# Altium PCB PCB1.PcbDoc (continued)
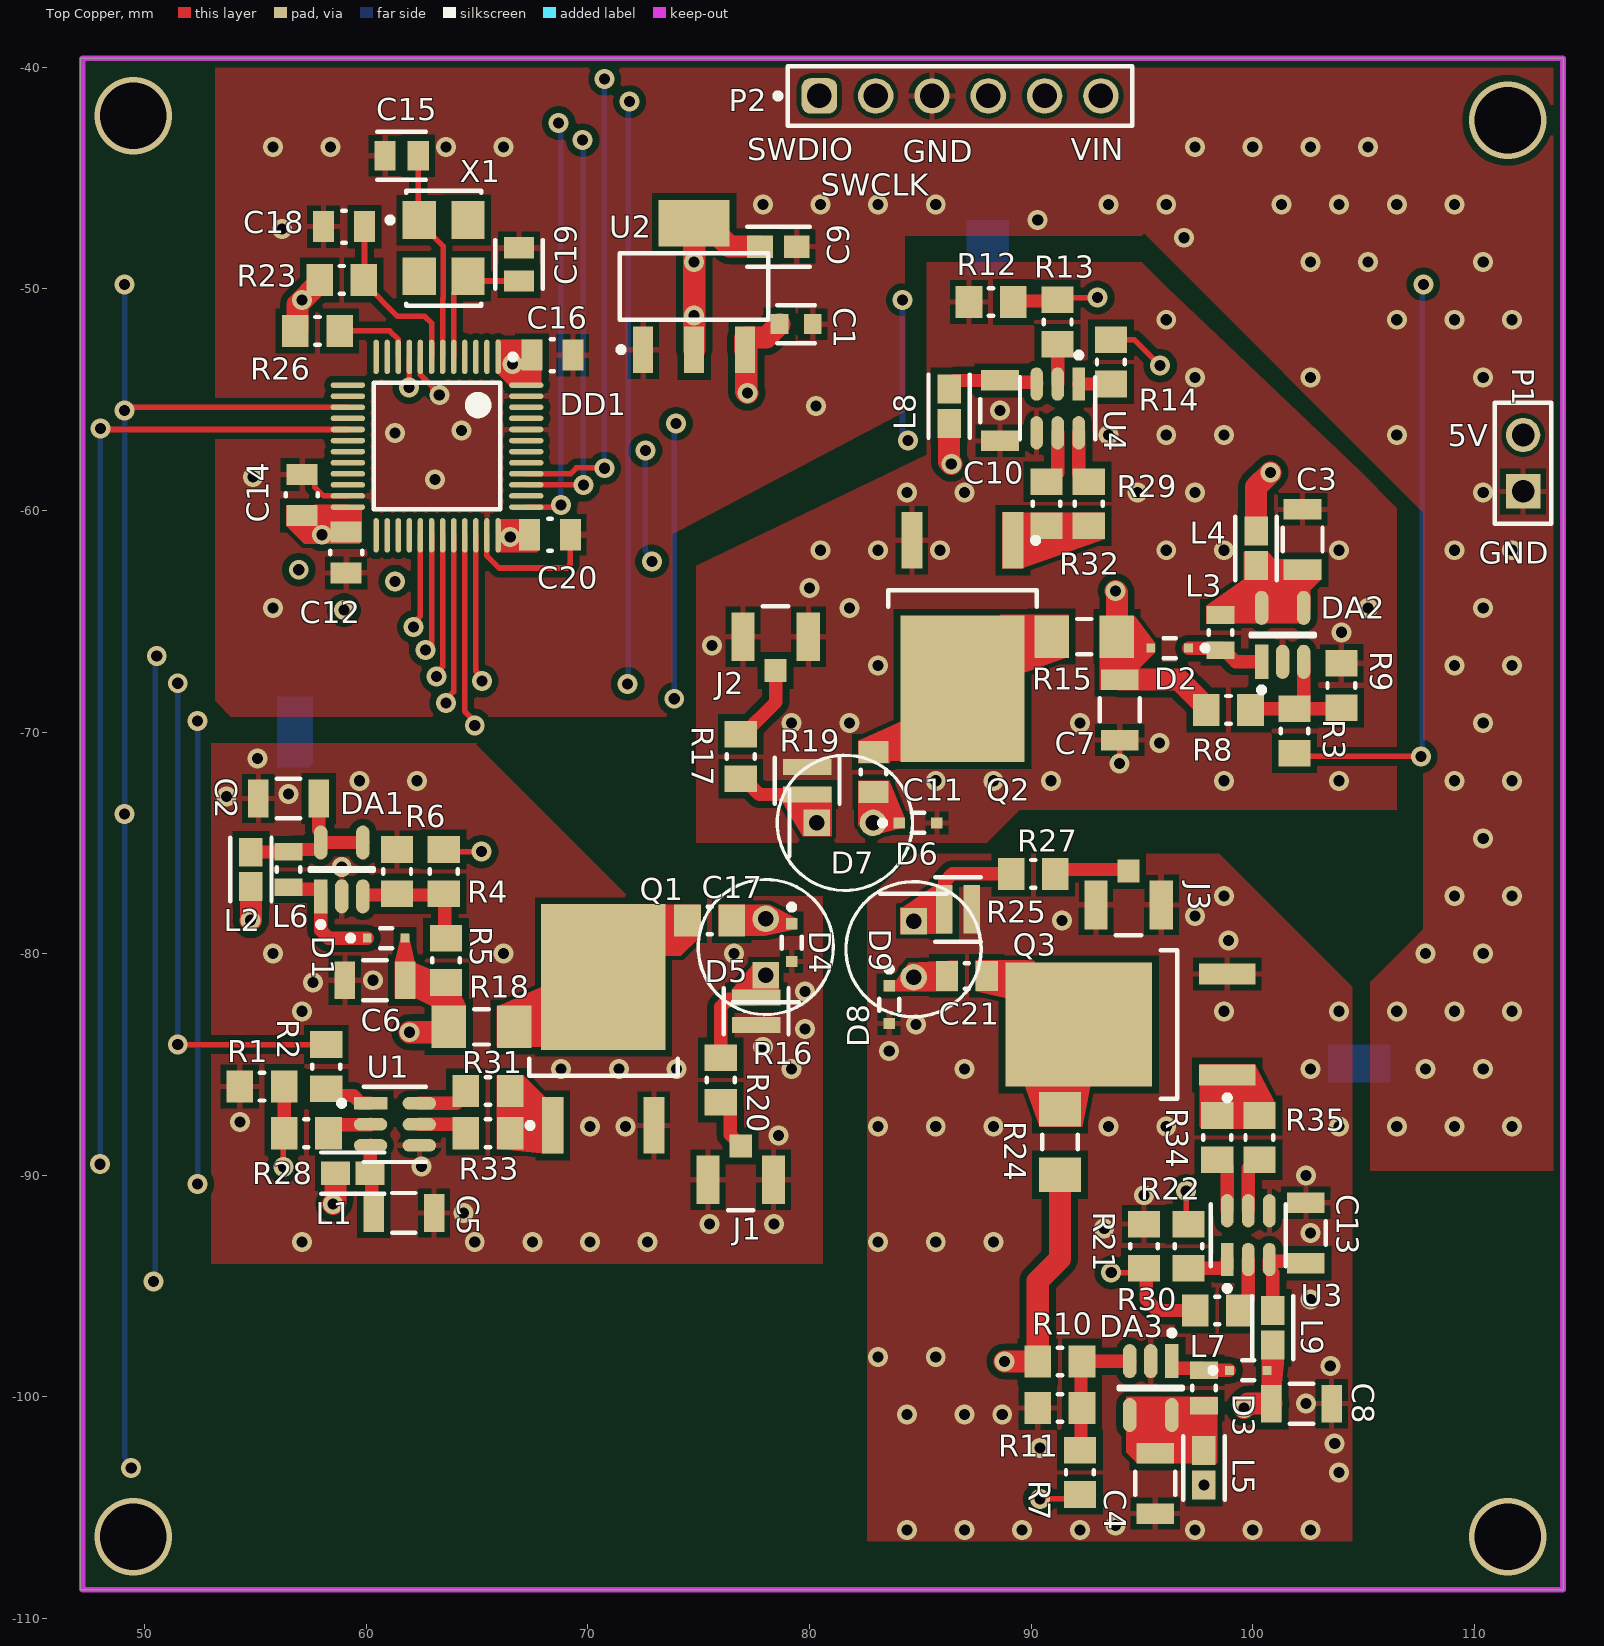
[diagram p0: Top Copper view]
## Components (designator, comment, footprint, x,y, rotation, side; value= is the part's Value field where it differs from the comment)
C1 "" FP-CC0603-DA-MFG 79.4,-51.6 r0 top value="100 nF"
C2 "10uF" FP-CL31B106KBHNNNE-MFG 56.5,-73 r0 top
C3 "10uF" FP-CL31B106KBHNNNE-MFG 102.25,-61.315 r270 top
C4 "10uF" FP-CL31B106KBHNNNE-MFG 95.6,-103.9 r90 top
C5 "10uF" FP-CL31B106KBHNNNE-MFG 61.7,-91.7 r180 top
C6 "10uF" FP-CL31B106KBHNNNE-MFG 60.4,-81.2 r0 top
C7 "10uF" FP-CL31B106KBHNNNE-MFG 94,-69 r90 top
C8 "10uF" FP-CL31B106KBHNNNE-MFG 102.2,-100.3 r180 top
C9 "" FP-CL10-IPC_A 78.6,-48.1 r0 top
C10 "10uF" FP-CL31B106KBHNNNE-MFG 88.6,-55.5 r90 top
C11 "20nF" RESC2013X60X35NL10T20 82.9,-71.8 r90 top
C12 "CC0805KRX7R9BB104" FP-CC0805-0_85-MFG 59.1,-61.9 r270 top value="100 nF"
C13 "10uF" FP-CL31B106KBHNNNE-MFG 102.4,-92.6 r270 top
C14 "CC0805KRX7R9BB104" FP-CC0805-0_85-MFG 57.1,-59.3 r90 top value="100 nF"
C15 "C0805C100J5RACTU" FP-C0805C-DN-MFG 61.6,-44 r0 top value="10 pF"
C16 "CC0805KRX7R9BB104" FP-CC0805-0_85-MFG 68.4,-53 r0 top value="100 nF"
C17 "20nF" RESC2013X60X35ML10T20 75.5,-78.5 r180 top
C18 "100nF" FP-CC0805-0_85-MFG 59,-47.2 r180 top value="100 nF"
C19 "" FP-C0805C-DN-MFG 66.9,-48.9 r270 top value="10 pF"
C20 "CC0805KRX7R9BB104" FP-CC0805-0_85-MFG 68.3,-61.1 r0 top value="100 nF"
C21 "20nF" RESC2013X60X35NL10T20 87.1,-81 r0 top
D1 "Schottky Diode" FP-PG-SC79-2-MFG#1 60.9,-79.3 r0 top
D2 "Schottky Diode" FP-PG-SC79-2-MFG#1 96.25,-66.215 r180 top
D3 "Schottky Diode" FP-PG-SC79-2-MFG#1 99.8,-98.8 r0 top
D4 "Schottky Diode" FP-PG-SC79-2-MFG#2 79.2,-79.5 r270 top
D5 "Light-Emitting Diode" FP-DPGEW1S09H-MFG 78.03,-79.7 r90 top locked
D6 "Schottky Diode" FP-PG-SC79-2-MFG#2 84.9,-74.1 r0 top
D7 "Light-Emitting Diode" FP-DPGEW1S09H-MFG 81.6,-74.1 r0 top locked
D8 "Schottky Diode" FP-PG-SC79-2-MFG#2 83.6,-82.3 r270 top
D9 "Light-Emitting Diode" FP-DPGEW1S09H-MFG 84.7,-79.8 r270 top locked
DA1 "MIC2288YD5-TR" FP-TSOT-5LD-PL-1-IPC_A 58.9,-76.2 r90 top
DA2 "MIC2288YD5-TR" FP-TSOT-5LD-PL-1-IPC_A 101.35,-65.615 r90 top
DA3 "MIC2288YD5-TR" FP-TSOT-5LD-PL-1-IPC_A 95.4,-99.6 r270 top
DD1 "STM32F303CBT6" STM-LQFP48_L 63.2,-57.1 r270 top
J1 "U.FL-R-SMT(10)" FP-U_FL-R-SMT_10-MFG 76.9,-90.2 r0 top
J2 "U.FL-R-SMT(10)" FP-U_FL-R-SMT_10-MFG 78.475,-65.7 r180 top
J3 "U.FL-R-SMT(10)" FP-U_FL-R-SMT_10-MFG 94.4,-77.8 r0 top
L1 "BEAD" FP-BLM18-0_15-t0_8-IPC_A 59.4,-89.9 r0 top
L2 "BEAD" FP-BLM18-0_15-t0_8-IPC_A 54.8,-76.2 r270 top
L3 "Inductor" RESC2013X60X35LL10T20 98.55,-65.515 r270 top value=10uH
L4 "BEAD" FP-BLM18-0_15-t0_8-IPC_A 100.15,-61.715 r90 top
L5 "BEAD" FP-BLM18-0_15-t0_8-IPC_A 97.8,-103.2 r270 top
L6 "Inductor" RESC2013X60X35LL10T20 56.5,-76.2 r270 top value=10uH
L7 "Inductor" RESC2013X60X35LL10T20 97.8,-99.6 r90 top value=10uH
L8 "BEAD" FP-BLM18-0_15-t0_8-IPC_A 86.3,-55.3 r90 top
L9 "BEAD" FP-BLM18-0_15-t0_8-IPC_A 100.9,-96.876 r90 top
P1 "TSW-102-26-F-S" SMTC-TSW-102-26-XX-S 112.2,-59.14 r90 top
P2 "61300611121" 61300611121 86.8,-41.3 r0 top
Q1 "" INF-PG-TO252-3-313_N 70.7,-83.4 r90 top
Q2 "" INF-PG-TO252-3-313_N 86.9,-65.7 r270 top
Q3 "" INF-PG-TO252-3-313_N 94.5,-83.2 r180 top
R1 "1K" RESC2013X60X35ML10T20 55.3,-86 r0 top
R2 "1K" RESC2013X60X35ML10T20 58.2,-85.1 r270 top
R3 "10K" RESC2013X60X35ML10T20 101.885,-69.95 r90 top
R4 "10K" RESC2013X60X35ML10T20 63.5,-76.3 r270 top
R5 "84.6K" RESC2013X60X35ML10T20 63.6,-80.3 r270 top
R6 "4.7K" RESC2013X60X35ML10T20 61.4,-76.3 r270 top
R7 "10K" RESC2013X60X35ML10T20 92.2,-103.4 r90 top
R8 "84.6K" RESC2013X60X35ML10T20 98.9,-69 r180 top
R9 "4.7K" RESC2013X60X35ML10T20 104,-67.9 r270 top
R10 "84.6K" RESC2013X60X35ML10T20 91.3,-98.4 r180 top
R11 "4.7K" RESC2013X60X35ML10T20 91.3,-100.5 r0 top
R12 "1K" RESC2013X60X35ML10T20 88.2,-50.6 r0 top
R13 "1K" RESC2013X60X35ML10T20 91.2,-51.5 r90 top
R14 "1K" RESC2013X60X35ML10T20 93.6,-53.3 r270 top
R15 "270" FP-CL31B106KBHNNNE-IPC_A 92.4,-65.7 r0 top
R16 "0.1" FP-LLL215-0_1-IPC_B 77.6,-82.6 r90 top
R17 "47" RESC2013X60X35ML10T20 76.9,-71.1 r270 top
R18 "270" FP-CL31B106KBHNNNE-IPC_A 65.2,-83.3 r180 top
R19 "0.1" FP-LLL215-0_1-IPC_B 79.9,-72.2 r270 top
R20 "47" RESC2013X60X35ML10T20 76,-85.7 r270 top
R21 "1K" RESC2013X60X35ML10T20 95.1,-93.2 r270 top
R22 "1K" RESC2013X60X35ML10T20 97.1,-93.2 r270 top
R23 "10K" RESC2013X60X35ML10T20 58.9,-49.6 r0 top
R24 "270" FP-CL31B106KBHNNNE-IPC_A 91.3,-88.5 r270 top
R25 "0.1" FP-LLL215-0_1-IPC_B 86.7,-78 r180 top
R26 "NC" RESC2013X60X35ML10T20 57.8,-51.9 r0 top
R27 "47" RESC2013X60X35ML10T20 90.1,-76.4 r0 top
R28 "1K" RESC2013X60X35ML10T20 57.3,-88.1 r180 top
R29 "15" RESC2013X60X35ML10T20 92.6,-59.7 r90 top
R30 "1K" RESC2013X60X35ML10T20 98.4,-96.1 r180 top
R31 "15" RESC2013X60X35ML10T20 65.5,-86.2 r180 top
R32 "0" RESC2013X60X35ML10T20 90.7,-59.7 r90 top
R33 "0" RESC2013X60X35ML10T20 65.5,-88.1 r180 top
R34 "15" RESC2013X60X35ML10T20 98.4,-88.3 r270 top
R35 "0" RESC2013X60X35ML10T20 100.3,-88.3 r270 top
U1 "UCC27531DBVR" FP-DBV0006A-IPC_B 61.3,-87.7 r0 top
U2 "LD1117S33TR" SOT-223_L 74.8,-49.9 r90 top
U3 "UCC27531DBVR" FP-DBV0006A-IPC_B 99.8,-92.7 r90 top
U4 "UCC27531DBVR" FP-DBV0006A-IPC_B 91.2,-55.4 r270 top
X1 "Quartz" FP-ASFL1-MFG 63.5,-48.17 r270 top value="8 MHz"

## Footprints (in the part's own frame and the unit in brackets; to place one, negate y for a bottom-side part, rotate by r counter-clockwise, add the part's x,y. Pads: shape width x height; smd on the part's side, far side on the other; paste and mask are expansions set on the pad)
61300611121 [mm] "Pin Header, pitch 2.54 mm, THT, Vertical, single row, 6p"
  rrect50% 1.6x1.6 hole 1.1: 1(-6.35,0)
  round 1.6 hole 1.1: 2(-3.81,0) 3(-1.27,0) 4(1.27,0) 5(3.81,0) 6(6.35,0)
  silkscreen extent -8.34,-1.35 7.77,1.35, body extent -7.62,-1.27 7.62,1.27, height 8.57
FP-ASFL1-MFG [mm]
  rect 1.7x1.5 smd paste+0 mask+0: 1(-1.27,-1.1) 2(1.27,-1.1) 3(1.27,1.1) 4(-1.27,1.1)
  silkscreen extent -2.6,-2.54 2.6,1.7, body extent -2.7,-1.95 2.7,1.95, height 0.25
FP-BLM18-0_15-t0_8-IPC_A [mm]
  rect 1.306x1.058 smd paste+0 mask+0: 1(-0.776,0) 2(0.776,0)
  silkscreen extent -1.43,-0.93 1.43,0.93, body extent -1.93,-1.03 1.93,1.03, height 0.25
FP-C0805C-DN-MFG [mm]
  rect 0.95x1.35 smd paste+0 mask+0: 1(-0.75,0) 2(0.75,0)
  silkscreen extent -1.1,-1.08 1.1,1.07, body extent -1.4,-0.85 1.4,0.85, height 0.25
FP-CC0603-DA-MFG [mm]
  rect 0.8x0.9 smd paste+0 mask+0: 1(-0.75,0) 2(0.75,0)
  silkscreen extent -0.85,-0.85 0.85,0.85, body extent -1.35,-0.75 1.35,0.75, height 0.25
FP-CC0805-0_85-MFG [mm]
  rect 0.95x1.4 smd paste+0 mask+0: 1(-0.925,0) 2(0.925,0)
  silkscreen extent -0.07,-0.72 0.07,0.72, body extent -1.6,-1.05 1.6,1.05, height 0.25
FP-CL10-IPC_A [mm]
  rect 1.158x1.012 smd paste+0 mask+0: 1(-0.827,0) 2(0.827,0)
  silkscreen extent -1.41,-0.91 1.41,0.91, body extent -1.91,-1.01 1.91,1.01, height 0.25
FP-CL31B106KBHNNNE-IPC_A [mm]
  rect 1.554x1.906 smd paste+0 mask+0: 1(-1.476,0) 2(1.476,0)
  silkscreen extent -0.32,-0.8 0.32,0.8, body extent -2.75,-1.45 2.75,1.45, height 0.25
FP-CL31B106KBHNNNE-MFG [mm]
  rect 0.925x1.7 smd paste+0 mask+0: 1(-1.362,0) 2(1.362,0)
  silkscreen extent -0.52,-0.9 0.52,0.9, body extent -1.92,-1 1.92,1, height 0.25
FP-DBV0006A-IPC_B [mm]
  rect 1.505x0.57 smd paste+0 mask+0: 1(-1.1,0.95)
  rrect100% 1.505x0.57 smd paste+0 mask+0: 2(-1.1,0) 3(-1.1,-0.95) 4(1.1,-0.95) 5(1.1,0) 6(1.1,0.95)
  silkscreen extent -2.53,-1.7 1.4,1.7, body extent -2.1,-1.7 2.1,1.7, height 0.25
FP-DPGEW1S09H-MFG [mm]
  rect 1.2x1.2 hole 0.7 paste-2539.97 mask+0: 1(-1.27,0)
  round 1.2 hole 0.7 paste-2539.97 mask+0: 2(1.27,0)
  silkscreen extent -3.05,-3.05 3.05,3.05, body extent -3.15,-3.15 3.15,3.15, height 0.25
FP-LLL215-0_1-IPC_B [mm]
  rect 0.74x2.2 smd paste+0 mask+0: 1(-0.62,0) 2(0.62,0)
  silkscreen extent -1.03,-1.46 1.03,1.46, body extent -1.28,-1.31 1.28,1.31, height 0.25
FP-PG-SC79-2-MFG#1 [mm]
  rect 0.4x0.4 smd paste+0 mask+0: 1(-0.85,0) 2(0.85,0)
  silkscreen extent -1.72,-0.45 0.27,0.45, body extent -1.15,-0.55 1.15,0.55, height 0.25
FP-PG-SC79-2-MFG#2 [mm]
  rect 0.508x0.508 smd paste+0 mask+0: 1(-0.85,0) 2(0.85,0)
  silkscreen extent -1.72,-0.45 0.28,0.45, body extent -1.15,-0.55 1.15,0.55, height 0.25
FP-TSOT-5LD-PL-1-IPC_A [mm]
  rect 1.54x0.612 smd paste+0 mask+0: 1(-1.216,0.95)
  rrect100% 1.54x0.612 smd paste+0 mask+0: 2(-1.216,0) 3(-1.216,-0.95) 4(1.216,-0.95) 5(1.216,0.95)
  silkscreen extent -2.61,-1.45 0.05,1.45, body extent -2.49,-1.95 2.49,1.95, height 0.25
FP-U_FL-R-SMT_10-MFG [mm]
  rect 1x1.05 smd paste-1000 mask+0: 1(0,1.525)
  rect 1.05x2.2 smd paste-1000 mask+0: 2(-1.475,0) 3(1.475,0)
  silkscreen extent -0.58,-1.38 0.58,-1.38, body extent -2.1,-1.48 2.1,2.15, height 0.25
INF-PG-TO252-3-313_N [mm] "DPAK, 3-Leads, Body 6.5x6.12mm, Pitch 2.28mm, IPC Medium Density"
  rect 2.55x0.95 smd: 1(-4.35,2.28) 3(-4.35,-2.28)
  rect 6.6x5.6 smd: 2(2.35,0)
  silkscreen extent -4.47,-3.35 -1.35,3.43, body extent -2.1,-3.32 4.12,3.32, height 2.35
RESC2013X60X35LL10T20 [mm] "Chip Resistor, 2-Leads, Body 2.00x1.25mm, IPC High Density"
  rect 0.8x1.25 smd: 1(-0.8,0) 2(0.8,0)
  silkscreen extent -0.1,-0.53 0.1,0.53, body extent -1.05,-0.67 1.05,0.67, height 0.6
RESC2013X60X35ML10T20 [mm] "Chip Resistor, 2-Leads, Body 2.1x1.35mm, IPC Low Density"
  rect 1.2x1.45 smd: 1(-1,0) 2(1,0)
  silkscreen extent -0.1,-0.62 0.1,0.62, body extent -1.05,-0.68 1.05,0.67, height 0.6
RESC2013X60X35NL10T20 [mm] "Chip Resistor, 2-Leads, Body 2.1x1.35mm, IPC Medium Density"
  rect 1x1.35 smd: 1(-0.9,0) 2(0.9,0)
  silkscreen extent -0.1,-0.57 0.1,0.58, body extent -1.05,-0.68 1.05,0.67, height 0.6
SMTC-TSW-102-26-XX-S [mm] ".025 SQ Post Terminal Strip Assembly, 1x2 Pins, Vertical, 2.54mm Pitch, Male"
  rect 1.55x1.55 hole 1.02: 1(0,0)
  round 1.55 hole 1.02: 2(2.54,0)
  silkscreen extent -1.46,-1.27 4,1.27, body extent -1.4,-1.27 3.81,1.27, height 8.38
SOT-223_L [mm] "SOT223, 4-Leads, Body 6.5x3.5mm, Pitch 2.3mm, Lead Span 7mm, IPC High Density"
  rect 2.1x0.9 smd: 1(-2.85,2.3) 2(-2.85,0) 3(-2.85,-2.3)
  rect 2.1x3.2 smd: 4(2.85,0)
  silkscreen extent -2.97,-3.35 1.5,3.42, body extent -1.85,-3.35 1.85,3.35, height 1.8
STM-LQFP48_L [mm] "QFP, 48-Leads, Body 7x7mm, Pitch 0.5mm, IPC High Density"
  oval 1.55x0.25 smd: 1(-4.025,2.75) 2(-4.025,2.25) 3(-4.025,1.75) 4(-4.025,1.25) 5(-4.025,0.75) 6(-4.025,0.25) 7(-4.025,-0.25) 8(-4.025,-0.75) 9(-4.025,-1.25) 10(-4.025,-1.75) 11(-4.025,-2.25) 12(-4.025,-2.75) 25(4.025,-2.75) 26(4.025,-2.25) 27(4.025,-1.75) 28(4.025,-1.25) 29(4.025,-0.75) 30(4.025,-0.25) 31(4.025,0.25) 32(4.025,0.75) 33(4.025,1.25) 34(4.025,1.75) 35(4.025,2.25) 36(4.025,2.75)
  oval 0.25x1.55 smd: 13(-2.75,-4.025) 14(-2.25,-4.025) 15(-1.75,-4.025) 16(-1.25,-4.025) 17(-0.75,-4.025) 18(-0.25,-4.025) 19(0.25,-4.025) 20(0.75,-4.025) 21(1.25,-4.025) 22(1.75,-4.025) 23(2.25,-4.025) 24(2.75,-4.025) 37(2.75,4.025) 38(2.25,4.025) 39(1.75,4.025) 40(1.25,4.025) 41(0.75,4.025) 42(0.25,4.025) 43(-0.25,4.025) 44(-0.75,4.025) 45(-1.25,4.025) 46(-1.75,4.025) 47(-2.25,4.025) 48(-2.75,4.025)
  silkscreen extent -4.15,-2.85 2.85,3.55, body extent -3.5,-3.5 3.5,3.5, height 1.6

## Part data
C1: library part CMP-2000-05002-2, "CAP CER 0.1UF 16V X7R 0603", Capacitance="100 nF", Manufacturer=YAGEO, Manufacturer Part Number=CC0603KRX7R7BB104, Package=CC0603-DA, Temperature="-55°C to +125°C", Temperature Characteristic=X7R, Temperature Coefficient=15%, Temperature Range High=+125°C, Temperature Range Low=-55°C, Tolerance=0.1, Voltage="16 V", Automotive=No, Category=Cap, ComponentLink2Description=Datasheet, ComponentLink2URL=http://www.yageo.com/documents/recent/UPY-GPHC_X7R_6.3V-to-50V_18.pdf, Device Class L1="Passive Components", Device Class L2=Capacitors, Device Class L3="Ceramic Capacitors", Digikey Description="CAP CER 0.1UF 16V X7R 0603", Footprint Url=http://www.yageo.com/exep/pages/download/literatures/UPY-C_GEN_24.pdf, Height=0.9mm, Lead Free=Yes, Material=Ceramic, Mouser Description="Multilayer Ceramic Capacitor, CC Series, 0.1 - F, - 10%, X7R, 16 V, 0603 [1608 Metric]", Octopart=https://octopart.com/cc0603krx7r7bb104-yageo-192941, RoHS=TRUE, Voltage Rating="16 V"
C2 C3 C4 C5 C6 C7 C8 C10 C13: library part CMP-2000-07530-2, "CAP CER 10UF 50V X7R 1206", Manufacturer=Samsung, Manufacturer Part Number=CL31B106KBHNNNE, Temperature="-55°C to +125°C", Temperature Characteristic=X7R, Temperature Coefficient=15%, Temperature Range High=+125°C, Temperature Range Low=-55°C, Tolerance=10%, Voltage Rating=50V, Automotive=No, Capacitance=10uF, Category=Cap, ComponentLink2Description=Datasheet, ComponentLink2URL=http://www.samsungsem.com/global/front/downloadcms.do?path=%2F%2Fglobal%2F%2Fsupport%2F%2Fproduct-search%2F%2Fmlcc%2F%2F__icsFiles%2F%2Fafieldfile%2F%2F2019%2F%2F06%2F%2F18&fileName=CL31B106KBHNNNE-19.pdf, Device Class L1="Passive Components", Device Class L2=Capacitors, Device Class L3="Ceramic Capacitors", Digikey Description="CAP CER 10UF 50V X7R 1206", Height=1.8mm, Lead Free=Yes, Material=Ceramic, Octopart=https://octopart.com/cl31b106kbhnnne-samsung-30507377, Package=CL31B106KBHNNNE, RoHS=TRUE
C9: library part CMP-13271-003582-1, "Cap Ceramic 2.2uF 10V X7R ±10% Pad SMD 0603 +125°C T/R", Capacitance=2.2uF, Case Code (Imperial)=0603, Case Code (Metric)=1608, Dielectric=X7R, Max Operating Temperature=125°C, Min Operating Temperature=-55°C, Package Quantity=1, Tolerance=10%, Voltage Rating=10V, Case/Package=0603, Contact Plating=Tin, Depth=0.8mm, Height=0.8mm, Length=1.6mm, Material=Ceramic, Mount="Surface Mount", Packaging="Tape and Reel", Radiation Hardening=No, Thickness=0.035inch, Width=0.031inch
C11 C17 C21: library part CC0805, "Chip capacitor", Voltage=50V, Series=X7R
C12 C14 C16 C20: library part CMP-2100-03606-3, "CAP CER 0.1UF 50V X7R 0805", Capacitance="100 nF", Manufacturer=Yageo, Package=CC0805-0.85, Temperature="-30°C to +85°C", Temperature Characteristic=X7R, Temperature Range High=+85°C, Temperature Range Low=-30°C, Tolerance=0.1, Voltage Rating="50 V", Automotive=No, Category=Cap, ComponentLink2Description=Datasheet, ComponentLink2URL=http://www.yageo.com/documents/recent/UPY-GPHC_Y5V_6.3V-to-50V_8.pdf, Device Class L1="Passive Components", Device Class L2=Capacitors, Device Class L3="Ceramic Capacitors", Digikey Description="CAP CER 0.1UF 50V X7R 0805", Footprint Url=http://www.yageo.com/exep/pages/download/literatures/UPY-C_GEN_24.pdf, Height=0.95mm, Ipc Land Pattern Name=CAPC200125X85, Lead Free=Yes, Manufacturer Part Number=CC0805KRX7R9BB104, Material=Ceramic, Mouser Description="Multilayer Ceramic Capacitors MLCC - SMD/SMT 100nF 50V X7R 10%", Octopart=https://octopart.com/cc0805krx7r9bb104-yageo-192993, RoHS=TRUE
C15: library part CMP-03020-021676-1, "C0805 10 pF X7R 30ppm/°C 5.00% 50 V", Capacitance="10 pF", Manufacturer=KEMET, Package=C0805C-DN, Temperature="-55°C to +125°C", Temperature Characteristic=X7R, Temperature Coefficient=30ppm/°C, Temperature Range High=+125°C, Temperature Range Low=-55°C, Tolerance=0.05, Voltage Rating="50 V", Automotive=No, Category=Cap, ComponentLink2Description=Datasheet, ComponentLink2URL=https://content.kemet.com/datasheets/KEM_C1003_C0G_SMD.pdf, Device Class L1="Passive Components", Device Class L2=Capacitors, Device Class L3="Ceramic Capacitors", Height=0.88mm, Ipc Land Pattern Name=CAPC200125X78, Lead Free=Yes, Manufacturer Part Number=C0805C100J5RACTU, Material=Ceramic, Mouser Description="Cap, 10PF, 50V, Mlcc, 0805", Octopart=https://octopart.com/c0805c100j5ractu-kemet-81794931, RoHS=TRUE
C18: library part CMP-2100-03606-3, "CAP CER 0.1UF 50V X7R 0805", Capacitance="100 nF", Manufacturer=Yageo, Manufacturer Part Number=CC0805KRX7R9BB104, Package=CC0805-0.85, Temperature="-30°C to +85°C", Temperature Characteristic=X7R, Temperature Range High=+85°C, Temperature Range Low=-30°C, Tolerance=0.1, Voltage Rating="50 V", Automotive=No, Category=Cap, ComponentLink2Description=Datasheet, ComponentLink2URL=http://www.yageo.com/documents/recent/UPY-GPHC_Y5V_6.3V-to-50V_8.pdf, Device Class L1="Passive Components", Device Class L2=Capacitors, Device Class L3="Ceramic Capacitors", Digikey Description="CAP CER 0.1UF 50V X7R 0805", Footprint Url=http://www.yageo.com/exep/pages/download/literatures/UPY-C_GEN_24.pdf, Height=0.95mm, Ipc Land Pattern Name=CAPC200125X85, Lead Free=Yes, Material=Ceramic, Mouser Description="Multilayer Ceramic Capacitors MLCC - SMD/SMT 100nF 50V X7R 10%", Octopart=https://octopart.com/cc0805krx7r9bb104-yageo-192993, RoHS=TRUE
C19: library part CMP-03020-021676-1, "C0805 10 pF X7R 30ppm/°C 5.00% 50 V", Capacitance="10 pF", Manufacturer=KEMET, Manufacturer Part Number=C0805C100J5RACTU, Package=C0805C-DN, Temperature="-55°C to +125°C", Temperature Characteristic=X7R, Temperature Coefficient=30ppm/°C, Temperature Range High=+125°C, Temperature Range Low=-55°C, Tolerance=0.05, Voltage Rating="50 V", Automotive=No, Category=Cap, ComponentLink2Description=Datasheet, ComponentLink2URL=https://content.kemet.com/datasheets/KEM_C1003_C0G_SMD.pdf, Device Class L1="Passive Components", Device Class L2=Capacitors, Device Class L3="Ceramic Capacitors", Height=0.88mm, Ipc Land Pattern Name=CAPC200125X78, Lead Free=Yes, Material=Ceramic, Mouser Description="Cap, 10PF, 50V, Mlcc, 0805", Octopart=https://octopart.com/c0805c100j5ractu-kemet-81794931, RoHS=TRUE
D5 D7 D9: library part LED, AF=1, BV=0, BV_MAX=1e99, CJO=0, CJP=0, CTA=0, CTP=0, EG=1.11, FC=0.5, FCS=0.5, FV_MAX=1e99, IBV=0.001, IKF=0, IKR=0, IS=1e-14, ISR=1e-14, JSW=0, JTUN=0, JTUNSW=0, KEG=1, KF=0, LEVEL=1, MJSW=0.33, N=1, NBV=1, NR=1, NS=1, NTUN=30, PHP=1, RS=0, SimulationGenericComponent=True, TCV=0, TLEV=0, TLEVC=0, TM1=0, TM2=0, TNOM=27, TPB=0, TPHP=0, TRS=0, TRS2=0, TT=0, TTT1=0, TTT2=0, VJ=1, XTI=3, XTITUN=3
DA1 DA2 DA3: library part MIC2288, "Step Up", FB_voltage=1.24V, Max Volt=10V
DD1: library part STM32F3_LQFP48, "Microcontroller"
J1 J2 J3: library part CMP-0029-00003-2, "CONN U.FL RCPT STR 50 OHM SMD", Case/Package=SMD/SMT, Dielectric Material=Polymer, Frequency=6GHz, Housing Color=Beige, Max Operating Temperature=90°C, Min Operating Temperature=-40°C, Package Quantity=1, Body Material=Bronze, Body Plating=Silver, Connector Type=Coaxial, Contact Material=Brass, Contact Plating=Gold, Depth=3.1mm, Fastening Type=Snap, Impedance=50R, Lead Free="Lead Free", Length=3mm, Max Frequency=6GHz, Mount="Surface Mount", Orientation=Vertical, Packaging="Tape and Reel", Plating=Silver, Radiation Hardening=No, Termination=Solder
L1 L2 L4 L5 L8 L9: "Ferrit Bead", Created data=2010-10-16
P1: library part CMP-1024-00329-1, "0.025\" SQ Post Header, Through-hole, Vertical, -55 to 125 degC, 2.54 mm Pitch, 2-Pin, Male, RoHS", Manufacturer=Samtec, Temperature Range="-55 to 125 degC", ComponentLink1Description="Manufacturer URL", ComponentLink1URL=http://www.samtec.com, ComponentLink2Description=Datasheet, ComponentLink2URL=http://www.samtec.com/documents/webfiles/pdf/TSW_TH.PDF, ComponentLink3Description="Package Specification", ComponentLink3URL=http://www.samtec.com/documents/webfiles/cpdf/TSW-XXX-XX-XXX-X-XX-XXX-MKT.pdf, DatasheetVersion=F-214, Mounting Technology=Through-hole, Orientation=Vertical, PackageDescription=".025[0.64] SQ. Post Terminal Strip Assembly", PackageReference=TSW-102-26-XX-S, PackageVersion="DM, 8/1988", PartNumber=TSW-102-26-F-S, Pitch="2.54 mm", RoHS=True
P2: library part CMP-1502-01070-3, Color=Black, Contact Resistance=20mΩ, Current Rating=3A, Max Operating Temperature=105°C, Min Operating Temperature=-40°C, Operating Supply Voltage=250V, Connector Type="Male Pin", Contact Gender=Male, Contact Material=Copper, Contact Mating Length=5.9944mm, Contact Plating=Gold, Gender=Male, Height=8.89mm, Housing Material=PBT, Lead Free="Lead Free", Lead Pitch=2.54mm, Mount="Through Hole", NexarPartId=20084590, Number of Contacts=6, Number of Pins=6, Number of Positions=6, Number of Rows=1, Orientation=Vertical, Packaging=Bulk, Pitch=2.54mm, REACH SVHC=Unknown, RoHS=Compliant, Termination="Through Hole", Voltage Rating=250V
Q1 Q2 Q3: library part CMP-1164-00353-1, "N-Channel CoolMOS C6 Power-Transistor, 600 V VDS, 8.1 A ID, -55 to 150 degC, PG-TO252-3-313, Reel, Green", Manufacturer=Infineon, PartNumber=IPD60R520C6, ComponentLink1Description="Manufacturer URL", ComponentLink1URL=http://www.infineon.com/, ComponentLink2Description=Datasheet, ComponentLink2URL=http://www.infineon.com/dgdl/IPD60R520C6_2.0.pdf?folderId=db3a3043163797a6011638933eda014b&fileId=db3a304323b87bc20123e676d18358fb, ComponentLink3Description="Package Specification", ComponentLink3URL=http://www.infineon.com/dgdl/PG-TO252-3-313-Package_Overview.pdf?folderId=db3a30432b57a660012b81890ade72d2&fileId=db3a30432b57a660012b8193af2872eb, DatasheetVersion="Rev. 2.0", Green=TRUE, ID (max)="8.1Â A", IDpuls (max)="22Â A", Mounting Technology="Surface Mount", PackageDescription="3-Pin Plastic (Green) Transistor Single Outline Package, 6.5 x 6.12 mm Body, 2.28 mm Pitch", PackageReference=PG-TO252-3-313, PackageVersion=Oct-10, Packing=Reel, Polarity=N, Ptot (max)="66Â W", QG="23.4Â nC", RDS (on) (max)="520Â mOhm", Rth="1.9Â K/W", RthJA (max)="62Â K/W", RthJC (max)="1.9Â K/W", Technology="CoolMOS C6", VDS (max)="600Â V", VGS(th) (max)="3.5Â V", VGS(th) (min)="2.5Â V"
R1 R2 R3 R4 R5 R6 R7 R8 R9 R10 R11 R12 R13 R14 R15 R16 R17 R18 R19 R20 R21 R22 R23 R24 R25 R26 R27 R28 R29 R30 R31 R32 R33 R34 R35: library part RC0805, "Chip resistor", Tolerance=5%
U1 U3 U4: library part CMP-04912-000077-1, "IC GATE DRVR LOW-SIDE SOT23-6", Case/Package=SOT-23-6, Max Operating Temperature=125°C, Max Supply Voltage=35V, Min Operating Temperature=-40°C, Min Supply Voltage=10V, Operating Supply Voltage=32V, Output Current=5A, Package Quantity=1, Fall Time=7ns, Lead Free="Lead Free", Mount="Surface Mount", Number of Channels=1, Number of Drivers=1, Number of Outputs=2, Number of Pins=6, Packaging="Tape and Reel", Rise Time=15ns, RoHS Compliant=Yes, Series=-, Turn-Off Delay Time=17ns, Turn-On Delay Time=26ns
U2: library part CMP-0244-00310-1, "Fixed Low Drop Positive Voltage Regulator, 3.3V, 4-Pin SOT-223, Tape and Reel", ComponentLink1Description="Manufacturer URL", ComponentLink1URL=http://www.st.com, ComponentLink2Description=Datasheet, ComponentLink2URL=http://www.st.com/internet/com/TECHNICAL_RESOURCES/TECHNICAL_LITERATURE/DATASHEET/CD00000544.pdf, DatasheetVersion=1/11/2011, PackageDescription="4-Pin SOT-223 Package, 6.5 x 3.5 mm Body, 2.3 mm Pitch, 7 mm Lead Span", PackageReference=SOT-223, PackageVersion=2010
X1: library part Quartz_SX-6, "Quartz_SX-6 (SMD06035C4)"
D1 D2 D3 D4 D6 D8: AF=1, BV=0, BV_MAX=1e99, CJO=0, CJP=0, CTA=0, CTP=0, EG=1.11, FC=0.5, FCS=0.5, FV_MAX=1e99, IBV=0.001, IKF=0, IKR=0, IS=1e-14, ISR=1e-14, JSW=0, JTUN=0, JTUNSW=0, KEG=1, KF=0, LEVEL=1, MJSW=0.33, N=1, NBV=1, NR=1, NS=1, NTUN=30, PHP=1, RS=0, SimulationGenericComponent=True, TCV=0, TLEV=0, TLEVC=0, TM1=0, TM2=0, TNOM=27, TPB=0, TPHP=0, TRS=0, TRS2=0, TT=0, TTT1=0, TTT2=0, VJ=1, XTI=3, XTITUN=3
L3 L6 L7: SimulationGenericComponent=True

## Via types
v1: diameter 0.9, hole 0.5, Top Copper to Bottom Copper, tented both sides, 226 vias
v2: diameter 3.5, hole 3, Top Copper to Bottom Copper, tented both sides, 4 vias

## Nets (pads, with @x,y where several pads share a name; then routed paths per layer and width w, separated by ;. In a path a pad name is that pad's centre, name@x,y a point inside that pad or via, vN(x,y) a via of type N, cw(c..) or ccw(c..) an arc to the next point about the centre after c; other vN are vias at no path point)
ENC: DD1.10 R26.2 | length 3.6
  Top Copper w0.25: R26.2 61.061,-51.9 61.45,-52.289 DD1.10
GND: C1.2 C2.1 C3.1 C4.1 C5.1 C6.1 C7.1 C8.1 C9.2 C10.1 C12.2 C13.1 C14.2 C15.1 C16.2 C18.2 C19.1 C20.2 D4.2 D6.2 D8.2 DA1.2 DA2.2 DA3.2 DD1.8 DD1.23 DD1.35 DD1.44 DD1.47 J1.2 J1.3 J2.2 J2.3 J3.2 J3.3 P1.1 P2.3 Q1.3 Q2.3 Q3.3 R1.1 R6.1 R9.1 R11.1 R12.1 R16.1 R19.1 R21.1 R25.1 U1.4 U2.1 U3.4 U4.4 | length 12.1
  Top Copper w0.25: C14.2 57.325,-58.375 57.675,-58.725 57.675,-58.95 58.075,-59.35 DD1.23 ; DD1.8 62.45,-53.881 63,-54.431 63,-54.554 63.246,-54.8 v1(63.3,-54.8) ; DD1.35 65.45,-62.051 65.999,-62.6 69.054,-62.6 69.2,-62.454 69.2,-61.125 C20.2 ; v1(93.996,-71.425) 94,-71.422 C7.1
  other v1: 84.4,-106 87,-106 89.6,-106 92.2,-106 97.4,-106 100,-106 102.6,-106 93.8,-105.8 103.9,-103.4 90.4,-102.3 103.7,-102.1 84.4,-100.8 87,-100.8 88.7,-100.8 102.4,-100.3 103.5,-98.6 83.1,-98.2 85.7,-98.2 102.6,-95.6 57.1,-93 64.9,-93 67.5,-93 70.1,-93 72.7,-93 83.1,-93 85.7,-93 88.3,-93 102.6,-92.6 93.3,-92.4 75.5,-92.2 78.4,-92.2 64.4,-91.7 95.1,-90.9 102.4,-90 62.5,-89.6 78.6,-88.2 70.1,-87.8 71.7,-87.8 83.1,-87.8 85.7,-87.8 88.3,-87.8 93.5,-87.8 96.1,-87.8 103.9,-87.8 106.5,-87.8 109.1,-87.8 111.7,-87.8 54.3,-87.6 68.8,-85.2 71.4,-85.2 74,-85.2 79.2,-85.2 87,-85.2 102.6,-85.2 107.8,-85.2 110.4,-85.2 83.6,-84.4 77.9,-84.2 79.8,-83.4 84.8,-83.2 57.1,-82.6 98.7,-82.6 103.9,-82.6 106.5,-82.6 109.1,-82.6 111.7,-82.6 79.8,-81.7 57.6,-81.3 60.3,-81.2 55.8,-80 66.2,-80 76.6,-80 107.8,-80 110.4,-80 98.9,-79.4 91.4,-78.5 97.4,-78.3 98.7,-77.4 109.1,-77.4 111.7,-77.4 58.9,-76.1 110.4,-74.8 53.7,-72.9 56.5,-72.8 59.7,-72.2 62.3,-72.2 85.7,-72.2 88.3,-72.2 90.9,-72.2 98.7,-72.2 103.9,-72.2 109.1,-72.2 111.7,-72.2 55.1,-71.2 95.8,-70.5 79.2,-69.6 81.8,-69.6 92.2,-69.6 110.4,-69.6 83.1,-67 109.1,-67 111.7,-67 75.6,-66.1 104,-65.5 55.8,-64.4 81.8,-64.4 105.2,-64.4 110.4,-64.4 80,-63.5 80.5,-61.8 83.1,-61.8 85.9,-61.8 96.1,-61.8 98.7,-61.8 103.9,-61.8 109.1,-61.8 111.7,-61.8 84.4,-59.2 87,-59.2 94.8,-59.2 97.4,-59.2 110.4,-59.2 63.1,-58.6 54.9,-58.5 93.5,-56.6 96.1,-56.6 98.7,-56.6 106.5,-56.6 61.3,-56.5 64.3,-56.4 88.6,-55.5 80.3,-55.3 97.4,-54 102.6,-54 110.4,-54 96.1,-51.4 106.5,-51.4 109.1,-51.4 111.7,-51.4 102.6,-48.8 105.2,-48.8 110.4,-48.8 96.9,-47.7 56.2,-47.3 90.3,-46.9 77.9,-46.2 80.5,-46.2 83.1,-46.2 85.7,-46.2 93.5,-46.2 96.1,-46.2 101.3,-46.2 103.9,-46.2 106.5,-46.2 109.1,-46.2 55.8,-43.6 58.4,-43.6 63.6,-43.6 66.2,-43.6 97.4,-43.6 100,-43.6 102.6,-43.6 105.2,-43.6
LASER_DAC: DD1.15 R3.1 R4.1 R7.1 | length 211.5
  Top Copper w0.25: v1(49.1,-55.5) 49.25,-55.35 DD1.15 ; R4.1 63.6,-75.4 v1(65.2,-75.4) ; v1(90.4,-104.6) 92,-104.6 R7.1 ; R3.1 102.035,-71.1 v1(107.6,-71.1)
  Signal Layer 1 w0.25: v1(49.1,-73.7) 63.5,-73.7 v1(65.2,-75.4) ; v1(49.1,-49.8) 49.276,-49.8 49.451,-49.625 100.014,-49.625 100.189,-49.8 v1(107.7,-49.8) ; v1(49.4,-103.2) 89,-103.2 v1(90.4,-104.6)
  Bottom Copper w0.25: v1(49.1,-49.8) v1(49.1,-55.5) v1(49.1,-73.7) 49.1,-102.724 49.4,-103.024 v1(49.4,-103.2) ; v1(107.6,-71.1) 107.65,-71.05 107.65,-49.85 v1(107.7,-49.8)
NetC2_2: C2.2 DA1.4 DA1.5 L2.1 L6.1 | length 7.4
  Top Copper w0.6: L2.1 54.812,-75.412 56.488,-75.412 L6.1 56.6,-75.3 57.944,-75.3 57.95,-75.294 DA1.5 ; C2.2 57.862,-74.43 57.95,-74.517 DA1.5 ; DA1.4 DA1.5
NetC3_2: C3.2 DA2.4 DA2.5 L3.1 L4.1 | length 2.1
  Top Copper w0.6: DA2.5@100.394,-64.716 100.4,-64.71 DA2.5 ; C3.2 102.298,-62.726 102.298,-64.398 DA2.4
NetC4_2: C4.2 DA3.4 DA3.5 L5.1 L7.1
NetC5_2: C5.2 L1.2 U1.3 | length 3.1
  Top Copper w0.6: U1.3 60.188,-88.662 60.188,-89.888 L1.2 60.257,-89.981 60.257,-91.619 C5.2
NetC10_2: C10.2 L8.2 U4.3 | length 4.3
  Top Copper w0.6: L8.2 86.3,-54.4 86.562,-54.138 C10.2 88.681,-54.219 90.235,-54.219 90.25,-54.234 U4.3
NetC11_1: C11.1 D6.1 D7.2
NetC11_2: C11.2 Q2.2 R15.1
NetC13_2: C13.2 L9.2 U3.3 | length 4.1
  Top Copper w0.6: U3.3@100.75,-93.866 100.765,-93.881 102.319,-93.881 C13.2 ; U3.3 100.75,-94.238 100.9,-94.388 L9.2
NetC15_2: C15.2 DD1.6 X1.1 | length 9.5
  Top Copper w0.25: C15.2 62.35,-46.85 X1.1 ; X1.1@62.4,-47 63.475,-48.075 63.475,-50.428 63.45,-50.453 DD1.6
NetC17_1: C17.1 D4.1 D5.2
NetC17_2: C17.2 Q1.2 R18.1
NetC19_2: C19.2 DD1.5 X1.3 | length 6.3
  Top Copper w0.25: DD1.5 63.95,-50.19 64.6,-49.54 X1.3 64.81,-49.65 C19.2
NetC21_1: C21.1 D8.1 D9.2
NetC21_2: C21.2 Q3.2 R24.1
NetD1_1: D1.1 DA1.1 L6.2 | length 5.6
  Top Copper w0.6: L6.2 56.6,-77.1 57.944,-77.1 57.95,-77.106 DA1.1 57.95,-78.949 58.301,-79.3 D1.1
NetD2_1: D2.1 DA2.1 L3.2 | length 3.6
  Top Copper w0.6: D2.1 98.611,-66.215 99.226,-66.831 DA2.1
NetD3_1: D3.1 DA3.1 L7.2 | length 3
  Top Copper w0.6: DA3.1 96.35,-98.694 96.356,-98.7 97.7,-98.7 L7.2 D3.1
NetD5_1: D5.1 R16.2 R20.1 | length 4.1
  Top Copper w0.6: R20.1 76,-82.4 76.35,-82.05 77.53,-82.05 R16.2
NetD7_1: D7.1 R17.2 R19.2 | length 3.3
  Top Copper w0.6: R17.2 77.025,-72.1 77.745,-72.82 R19.2
NetD9_1: D9.1 R25.2 R27.1 | length 5.1
  Top Copper w0.6: R25.2@86.08,-77.27 R25.2 86.1,-77.98 86.1,-76.751 86.451,-76.4 R27.1
NetDA1_3: DA1.3 R4.2 R5.1 R6.2 | length 5.8
  Top Copper w0.6: DA1.3 59.85,-77.363 59.856,-77.358 63.442,-77.358 R4.2 63.55,-77.35 63.55,-79.25 R5.1
NetDA2_3: DA2.3 R3.2 R8.1 R9.2 | length 6.5
  Top Copper w0.6: R8.1 99.95,-68.95 103.95,-68.95 R9.2 ; R3.2 102,-68.95 102.3,-68.65 DA2.3
NetDA3_3: DA3.3 R7.2 R10.1 R11.2 | length 6.2
  Top Copper w0.6: R7.2 92.25,-102.35 92.25,-98.45 R10.1 92.308,-98.392 94.444,-98.392 94.45,-98.387 DA3.3
NetDD1_17: DD1.17 R1.2 R28.2 | length 56.3
  Top Copper w0.25: v1(48.013,-56.302) 48.062,-56.35 DD1.17 ; v1(56.265,-89.618) 56.265,-88.135 R28.2
  Top Copper w0.6: R28.2 R1.2
  Signal Layer 1 w0.25: v1(48,-89.5) 56.147,-89.5 v1(56.265,-89.618)
  Bottom Copper w0.25: v1(48,-89.5) 48.007,-89.493 48.007,-56.308 v1(48.013,-56.302)
NetDD1_29: DD1.29 R12.2 R13.2 | length 52.6
  Top Copper w0.25: v1(62.136,-65.26) 62.136,-65.084 62.45,-64.77 DD1.29 ; R13.2 91.3,-50.4 v1(93,-50.4)
  Top Copper w0.6: R12.2 89.25,-50.55 91.15,-50.55 R13.2
  Signal Layer 1 w0.25: v1(62.136,-65.26) 65.096,-62.3 v1(72.9,-62.3) ; v1(72.6,-57.3) 83.818,-57.3 84.27,-56.848 v1(84.446,-56.848) ; v1(84.2,-50.5) 92.9,-50.5 v1(93,-50.4)
  Bottom Copper w0.25: v1(72.6,-57.3) 72.6,-61.824 72.9,-62.124 v1(72.9,-62.3) ; v1(84.2,-50.5) 84.2,-56.602 v1(84.446,-56.848)
NetDD1_30: DD1.30 R21.2 R30.2 | length 94.6
  Top Copper w0.25: v1(62.672,-66.295) 62.95,-66.016 DD1.30 ; v1(93.616,-94.391) 94.909,-94.391 R21.2
  Top Copper w0.6: R21.2 95.2,-94.3 95.2,-95.6 95.7,-96.1 R30.2
  Signal Layer 1 w0.25: v1(50.4,-94.8) 93.207,-94.8 v1(93.616,-94.391) ; v1(50.551,-66.565) 50.822,-66.295 v1(62.672,-66.295)
  Bottom Copper w0.25: v1(50.4,-94.8) 50.476,-94.724 50.476,-66.641 v1(50.551,-66.565)
NetDD1_31: DD1.31 R2.1 | length 41.3
  Top Copper w0.25: v1(51.5,-84.1) R2.1 ; v1(63.175,-67.5) 63.175,-67.324 63.45,-67.049 DD1.31
  Signal Layer 1 w0.25: v1(51.5,-67.8) 51.8,-67.5 v1(63.175,-67.5)
  Bottom Copper w0.25: v1(51.5,-84.1) v1(51.5,-67.8)
NetDD1_32: DD1.32 R14.1 | length 56.2
  Top Copper w0.25: v1(63.6,-68.7) 63.6,-68.524 63.95,-68.174 DD1.32 ; R14.1 94.65,-52.3 v1(95.823,-53.473)
  Signal Layer 1 w0.25: v1(63.6,-68.7) 63.7,-68.6 73.8,-68.6 v1(73.9,-68.5) ; v1(73.979,-56.089) 76.595,-53.473 v1(95.823,-53.473)
  Bottom Copper w0.25: v1(73.9,-68.5) 73.9,-56.167 v1(73.979,-56.089)
NetDD1_33: DD1.33 R22.1 | length 88.8
  Top Copper w0.25: DD1.33 64.45,-69.074 64.9,-69.524 v1(64.9,-69.7) ; v1(97,-90.7) 97,-92.1 R22.1
  Signal Layer 1 w0.25: v1(52.4,-90.4) 74.338,-90.4 74.638,-90.1 96.4,-90.1 v1(97,-90.7) ; v1(52.4,-69.5) 52.5,-69.6 64.8,-69.6 v1(64.9,-69.7)
  Bottom Copper w0.25: v1(52.4,-90.4) v1(52.4,-69.5)
NetJ1_1: J1.1 R20.2 | length 2.4
  Top Copper w0.6: R20.2 76.125,-86.7 76.425,-87 76.425,-88.175 76.9,-88.65 J1.1
NetJ2_1: J2.1 R17.1 | length 3.6
  Top Copper w0.6: R17.1 77.025,-70.1 78.475,-68.65 J2.1
NetJ3_1: J3.1 R27.2 | length 3.4
  Top Copper w0.6: R27.2 91.3,-76.2 94.325,-76.2 J3.1
NetQ1_1: Q1.1 R31.1 R33.1
NetQ2_1: Q2.1 R29.1 R32.1
NetQ3_1: Q3.1 R34.1 R35.1
NetR2_2: R2.2 U1.1 | length 2.3
  Top Copper w0.6: R2.2 58.5,-86.4 59.412,-86.4 59.762,-86.75 U1.1
NetR13_1: R13.1 U4.2 | length 1.8
  Top Copper w0.6: U4.2 R13.1
NetR14_2: R14.2 U4.1 | length 1.5
  Top Copper w0.6: U4.1 R14.2
NetR22_2: R22.2 U3.1 | length 2.1
  Top Copper w0.6: R22.2 98.835,-94.2 98.85,-94.185 U3.1
NetR28_1: R28.1 U1.2 | length 2.1
  Top Copper w0.6: R28.1 58.3,-88.015 58.6,-87.715 60.184,-87.715 U1.2
NetR29_2: R29.2 U4.6 | length 2.5
  Top Copper w0.6: U4.6 92.15,-58.375 92.475,-58.7 R29.2
NetR30_1: R30.1 U3.2 | length 2.5
  Top Copper w0.6: R30.1 99.4,-95.975 99.8,-95.575 U3.2
NetR31_2: R31.2 U1.6 | length 2.4
  Top Copper w0.6: U1.6 64.075,-86.75 64.5,-86.325 R31.2
NetR32_2: R32.2 U4.5 | length 2.5
  Top Copper w0.6: R32.2 90.825,-58.7 91.2,-58.325 U4.5
NetR33_2: R33.2 U1.5 | length 2.3
  Top Copper w0.6: U1.5 64.2,-87.7 64.5,-88 R33.2
NetR34_2: R34.2 U3.6 | length 2.6
  Top Copper w0.6: R34.2 98.525,-89.3 98.85,-89.625 U3.6
NetR35_2: R35.2 U3.5 | length 2.6
  Top Copper w0.6: U3.5 99.8,-89.675 100.175,-89.3 R35.2
NRST: C18.1 DD1.7 R23.2 | length 7.9
  Top Copper w0.25: C18.1 59.925,-49.7 59.9,-49.725 61.419,-51.244 62.644,-51.244 62.95,-51.55 DD1.7
RX: DD1.40 P2.4 | length 39.1
  Top Copper w0.25: DD1.40 69.223,-58.35 69.486,-58.086 70.741,-58.086 v1(70.753,-58.098)
  Signal Layer 1 w0.25: v1(70.762,-40.544) 70.937,-40.544 71.307,-40.175 86.945,-40.175 P2.4
  Bottom Copper w0.25: v1(70.753,-58.098) 70.753,-40.553 v1(70.762,-40.544)
SWCLK: DD1.37 P2.2 | length 33.7
  Top Copper w0.25: DD1.37 68.687,-59.85 v1(68.787,-59.75)
  Signal Layer 1 w0.25: v1(68.686,-42.521) 81.769,-42.521 P2.2
  Bottom Copper w0.25: v1(68.686,-42.521) 68.787,-42.622 v1(68.787,-59.75)
SWDIO: DD1.34 P2.1 | length 48.3
  Top Copper w0.25: DD1.34 64.95,-67.249 65.225,-67.524 v1(65.225,-67.7)
  Signal Layer 1 w0.25: v1(65.225,-67.7) 65.287,-67.763 71.738,-67.763 v1(71.8,-67.825) ; v1(71.884,-41.558) 80.192,-41.558 P2.1
  Bottom Copper w0.25: v1(71.8,-67.825) 71.825,-67.8 71.825,-41.617 v1(71.884,-41.558)
TX: DD1.39 P2.5 | length 40.6
  Top Copper w0.25: DD1.39 69.796,-58.85 v1(69.807,-58.861)
  Signal Layer 1 w0.25: v1(69.767,-43.296) 89.904,-43.296 90.61,-42.59 P2.5
  Bottom Copper w0.25: v1(69.767,-43.296) 69.787,-43.316 69.787,-58.841 v1(69.807,-58.861)
VCC: C9.1 C12.1 C14.1 C16.1 C20.1 DD1.1 DD1.9 DD1.24 DD1.36 DD1.48 R23.1 R26.1 U2.2 U2.4 | length 16.6
  Top Copper w0.25: C14.1 57.325,-60.225 57.7,-59.85 DD1.24 59.175,-60.9 C12.1 ; v1(61.926,-54.453) 61.95,-54.428 DD1.9
  Top Copper w1: R26.1 56.9,-51.8 56.9,-50.725 57.9,-49.725 R23.1 ; U2.2 U2.4 75.35,-47.05 76.394,-48.094 77.767,-48.094 C9.1
  other v1: 59,-64.5 61.3,-63.2 56.96,-62.68 66.5,-61.2 58,-61.1 66.6,-53.4 74.8,-51.2 57.1,-50.5 74.8,-48.8
VIN: C1.1 L2.2 L4.2 L5.2 P1.2 P2.6 U2.3 | length 149.1
  Top Copper w1: v1(54.787,-78.492) 54.8,-78.479 L2.2 ; v1(77.2,-54.7) 77.15,-54.65 77.15,-52.8 U2.3 77.1,-52.25 77.15,-52.2 78.05,-52.2 C1.1 ; L4.2 100.15,-58.95 v1(100.8,-58.3)
  Signal Layer 2 w1: v1(54.787,-78.492) 58.734,-78.492 77.2,-60.026 v1(77.2,-54.7) 83.843,-48.057 86.393,-48.057 P2.6 100.8,-48.95 ; v1(97.8,-103.976) 97.824,-104 99.7,-104 100.8,-102.9 v1(100.8,-58.3) 100.8,-48.95 ; P1.2@112.9,-56.46 108.31,-56.46 100.8,-48.95
Vlaser1: C6.2 D1.2 L1.1 R5.2 R18.2 | length 12.5
  Top Copper w1: v1(58.5,-91.3) 58.624,-91.176 L1.1 ; v1(61.96,-83.545) 63.479,-83.545 R18.2
  Signal Layer 2 w1: v1(58.5,-91.3) 58.5,-87.006 v1(61.96,-83.545)
Vlaser2: C7.2 D2.2 L8.1 R8.2 R15.2 | length 18.3
  Top Copper w1: L8.1 86.3,-57.8 v1(86.4,-57.9) ; v1(93.803,-63.635) 93.876,-63.708 R15.2 ; C7.2 96.662,-67.637 97.9,-68.875 R8.2
  Signal Layer 2 w1: v1(86.4,-57.9) 88.068,-57.9 v1(93.803,-63.635)
Vlaser3: C8.2 D3.2 L9.1 R10.2 R24.2 | length 23.3
  Top Copper w1: v1(88.8,-98.4) R10.2 90.3,-94.764 91.3,-93.764 R24.2 ; v1(99.6,-100.5) 99.8,-100.3 C8.2
  Signal Layer 2 w1: v1(88.8,-98.4) 90.9,-100.5 v1(99.6,-100.5)
pads on no net: DD1.2 DD1.3 DD1.4 DD1.11 DD1.12 DD1.13 DD1.14 DD1.16 DD1.18 DD1.19 DD1.20 DD1.21 DD1.22 DD1.25 DD1.26 DD1.27 DD1.28 DD1.38 DD1.41 DD1.42 DD1.43 DD1.45 DD1.46 X1.2 X1.4
copper on no net:
  other v2: 49.5,-106.3 111.5,-106.3 111.5,-42.4 49.5,-42.2

## Polygon pours and split planes (outlines as drawn)
GND on Top Copper "GND_L01_P000" (solid, remove dead copper, pour order 0): 53,-70.5 65,-70.5 65,-70.6 71.8,-77.4 80.6,-77.4 80.6,-94 53,-94
GND on Top Copper "GND_L01_P010" (solid, remove dead copper, pour order 10): 82.6,-77.6 84.7,-75.5 98.5,-75.5 104.5,-81.5 104.5,-106.5 82.6,-106.5
GND on Top Copper "GND_L01_P016" (solid, remove dead copper, pour order 16): 88,-75 89.5,-73.5 106.5,-73.5 106.5,-59.9 104.5,-57.9 104.8,-58.2 96.1,-49.9 95,-48.8 85.3,-48.8 85.3,-57.5 74.9,-62.5 74.9,-75
GND on Top Copper "GND_L01_P005" (solid, remove dead copper, pour order 5): 53.2,-68.6 53.9,-69.3 73.8,-69.3 73.8,-61.066 84.3,-55.556 84.3,-47.6 95,-47.6 95.1,-47.5 107.7,-60.1 107.7,-78.9 105.3,-81.3 105.3,-89.8 113.9,-89.8 113.8,-89.7 113.8,-39.6 53.2,-39.6
VCC on Signal Layer 2 "VCC_L03_P004" (solid, remove dead copper, pour order 4): 54.4,-60.3 58.4,-64.3 68.1,-64.3 75.6,-56.8 75.6,-45.2 54.5,-45.2 54.4,-45.3
GND on Signal Layer 1 "GND_L02_P006" (solid, remove dead copper, pour order 6): 53.2,-68.6 53.9,-69.3 73.8,-69.3 73.8,-61.066 84.3,-55.556 84.3,-47.6 95,-47.6 95.1,-47.5 107.7,-60.1 107.7,-78.9 105.3,-81.3 105.3,-89.8 113.9,-89.8 113.8,-89.7 113.8,-39.6 53.2,-39.6
GND on Signal Layer 1 "GND_L02_P002" (solid, remove dead copper, pour order 2): 88,-75 89.5,-73.5 106.5,-73.5 106.5,-59.9 104.5,-57.9 104.8,-58.2 96.1,-49.9 95,-48.8 85.3,-48.8 85.3,-57.5 74.9,-62.5 74.9,-75
GND on Signal Layer 1 "GND_L02_P001" (solid, remove dead copper, pour order 1): 82.6,-77.6 84.7,-75.5 98.5,-75.5 104.5,-81.5 104.5,-106.5 82.6,-106.5
GND on Signal Layer 1 "GND_L02_P008" (solid, remove dead copper, pour order 8): 53,-70.5 65,-70.5 65,-70.6 71.8,-77.4 80.6,-77.4 80.6,-94 53,-94
GND on Bottom Copper "GND_L04_P012" (solid, remove dead copper, pour order 12): 88,-75 89.5,-73.5 106.5,-73.5 106.5,-59.9 104.5,-57.9 104.8,-58.2 96.1,-49.9 95,-48.8 85.3,-48.8 85.3,-57.5 74.9,-62.5 74.9,-75
GND on Bottom Copper "GND_L04_P011" (solid, remove dead copper, pour order 11): 82.6,-77.6 84.7,-75.5 98.5,-75.5 104.5,-81.5 104.5,-106.5 82.6,-106.5
GND on Bottom Copper "GND_L04_P009" (solid, remove dead copper, pour order 9): 53,-70.5 65,-70.5 65,-70.6 71.8,-77.4 80.6,-77.4 80.6,-94 53,-94
GND on Bottom Copper "GND_L04_P007" (solid, remove dead copper, pour order 7): 53.2,-68.6 53.9,-69.3 73.8,-69.3 73.8,-61.066 84.3,-55.556 84.3,-47.6 95,-47.6 95.1,-47.5 107.7,-60.1 107.7,-78.9 105.3,-81.3 105.3,-89.8 113.9,-89.8 113.8,-89.7 113.8,-39.6 53.2,-39.6

## Keep-outs
Keep-Out Layer:
  lines w0.254: 47.2,-108.7 114,-108.7 114,-39.6 47.2,-39.6 47.2,-108.7

## Other copper
Top Copper:
  region net VCC: 59.9,-59.8 59.8,-59.9 59.8,-61.4 59.7,-61.5 57.2,-61.5 56.4,-60.7 56.4,-59.8
  region net VCC: 65.9,-60.4 67.8,-60.4 67.8,-61.8 67.7,-61.9 65.9,-61.9
  region net VCC: 65.9,-53.8 66.5,-54.4 68,-54.4 67.9,-54.3 67.9,-52.3 65.9,-52.3
  region net NetQ2_1: 88.7,-60.1 88.7,-62.6 89.6,-62.6 93.3,-61.3 93.3,-60.1
  region net Vlaser2: 93.1,-64.8 93.1,-66.6 93.1,-68.1 94.9,-68.1 94.9,-67.1 95.6,-66.4 95.6,-66 94.7,-64.8
  region net NetC3_2: 97.9,-65.1 102.5,-65.1 102.5,-63.7 103.1,-63.1 103.1,-62.2 101,-62.2 100.7,-61.9 99.6,-61.9 99.6,-63.1 97.9,-64.3
  region net NetC11_2: 91.7,-64.7 88.6,-64.7 88.6,-67.7 91.7,-66.6
  region net NetD7_1: 78.8,-72.5 81,-72.5 81,-73.2 81,-74.7 79.7,-74.7 78.8,-73.2 78.8,-73.1
  region net NetC11_2: 82.2,-71.4 83.6,-71.4 83.7,-71.3 85.2,-71.3 85.2,-69.5 84.2,-69.5 82.2,-70.4
  region net NetC11_1: 83.6,-72.2 84.3,-73.9 84.3,-74.3 82.7,-74.7 82.2,-74.2 82.2,-72.2
  region net NetC4_2: 98.4,-100 98.4,-103 94.8,-103 94.3,-102.5 94.3,-100
  region net Vlaser3: 100.4,-97.1 100.4,-101.1 101.3,-101.1 101.3,-99.4 101.4,-98.5 101.4,-97.1
  region net NetQ3_1: 97.7,-87.9 97.6,-87.8 97.6,-85 100.1,-85 101,-86.7 101,-87.9
  region net NetC21_2: 90.4,-87.8 89.5,-85.3 92.7,-85.3 92.8,-85.2 92.8,-85.3 92.3,-87.8
  region net NetC21_2: 87.5,-80.3 90.1,-80.3 90.2,-80.4 90.2,-82 88.8,-82 87.5,-81.7
  region net NetD9_1: 84.1,-79.1 86.4,-79.1 86.4,-76.9 85.7,-76.9 84.2,-77.9 84.1,-77.9
  region net NetC21_1: 83.4,-81.2 83.914,-81.2 84.485,-80.401 86.7,-80.299 86.7,-81.7 83.4,-81.7
  region net Vlaser1: 61.6,-79.1 61.3,-80.4 61.3,-82 62.2,-82 63,-82.4 63,-84.2 64.5,-84.2 64.5,-82.3 64.3,-81.9 64.3,-80.7 62.9,-80.7 62.2,-80.4 61.9,-79.1
  region net NetQ1_1: 67.1,-85.5 68.1,-86.5 68.9,-86.5 68.9,-89 67.9,-89 65.9,-88.8 65.9,-85.5
  region net NetC17_1: 75.9,-79.2 77.9,-79.2 78,-79.2 79.4,-78.9 79.4,-78.4 78.2,-77.8 75.9,-77.8
  region net NetD5_1: 78.6,-80.4 78.6,-82.3 76.5,-82.3 76.5,-81.622 77.5,-80.4
  region net NetC17_2: 65.9,-82.4 68.4,-81.3 68.4,-84.2 65.9,-84.2
  region net NetC17_2: 72.1,-77.8 72.1,-80 72.2,-80.1 74.2,-80.1 75,-79.3 75,-79.1 75,-77.8
Bottom Copper:
  region net GND: 56,-68.4 56,-71.6 57.4,-71.6 57.6,-71.4 57.6,-68.4
  region net GND: 106.2,-84.1 103.4,-84.1 103.4,-85.8 106.2,-85.8
  region net GND: 87.1,-46.9 87.1,-49.4 88.9,-49.4 89,-49.5 89,-46.9

## Silkscreen, mask and mechanical layers (free items; w line width, h text height)
Top Overlay:
  text "SWDIO" at 77.2,-44.2 h1
  text "VIN" at 91.8,-44.2 h1
  text "GND" at 84.2,-44.3 h1
  text "SWCLK" at 80.5,-45.8 h1
  text "5V" at 108.8,-57.1 h1
  text "GND" at 110.2,-62.4 h1